# Altium PCB HIVE_BOARD - 10x10.PcbDoc (part 4 of 4)
Units mm, origin at the board's own origin, x right, y up, seen from the top; angles counter-clockwise.
Board outline 100 x 100 mm, 8 copper layers (Top, GND_1, Signal_1, GND_2, PWR, Signal_2, GND_3, Bottom), stack 1.6 mm thick; 627 components, 452 nets, 2398 pads, 70 vias.
Unrouted connection lines stored in the file: 1823.
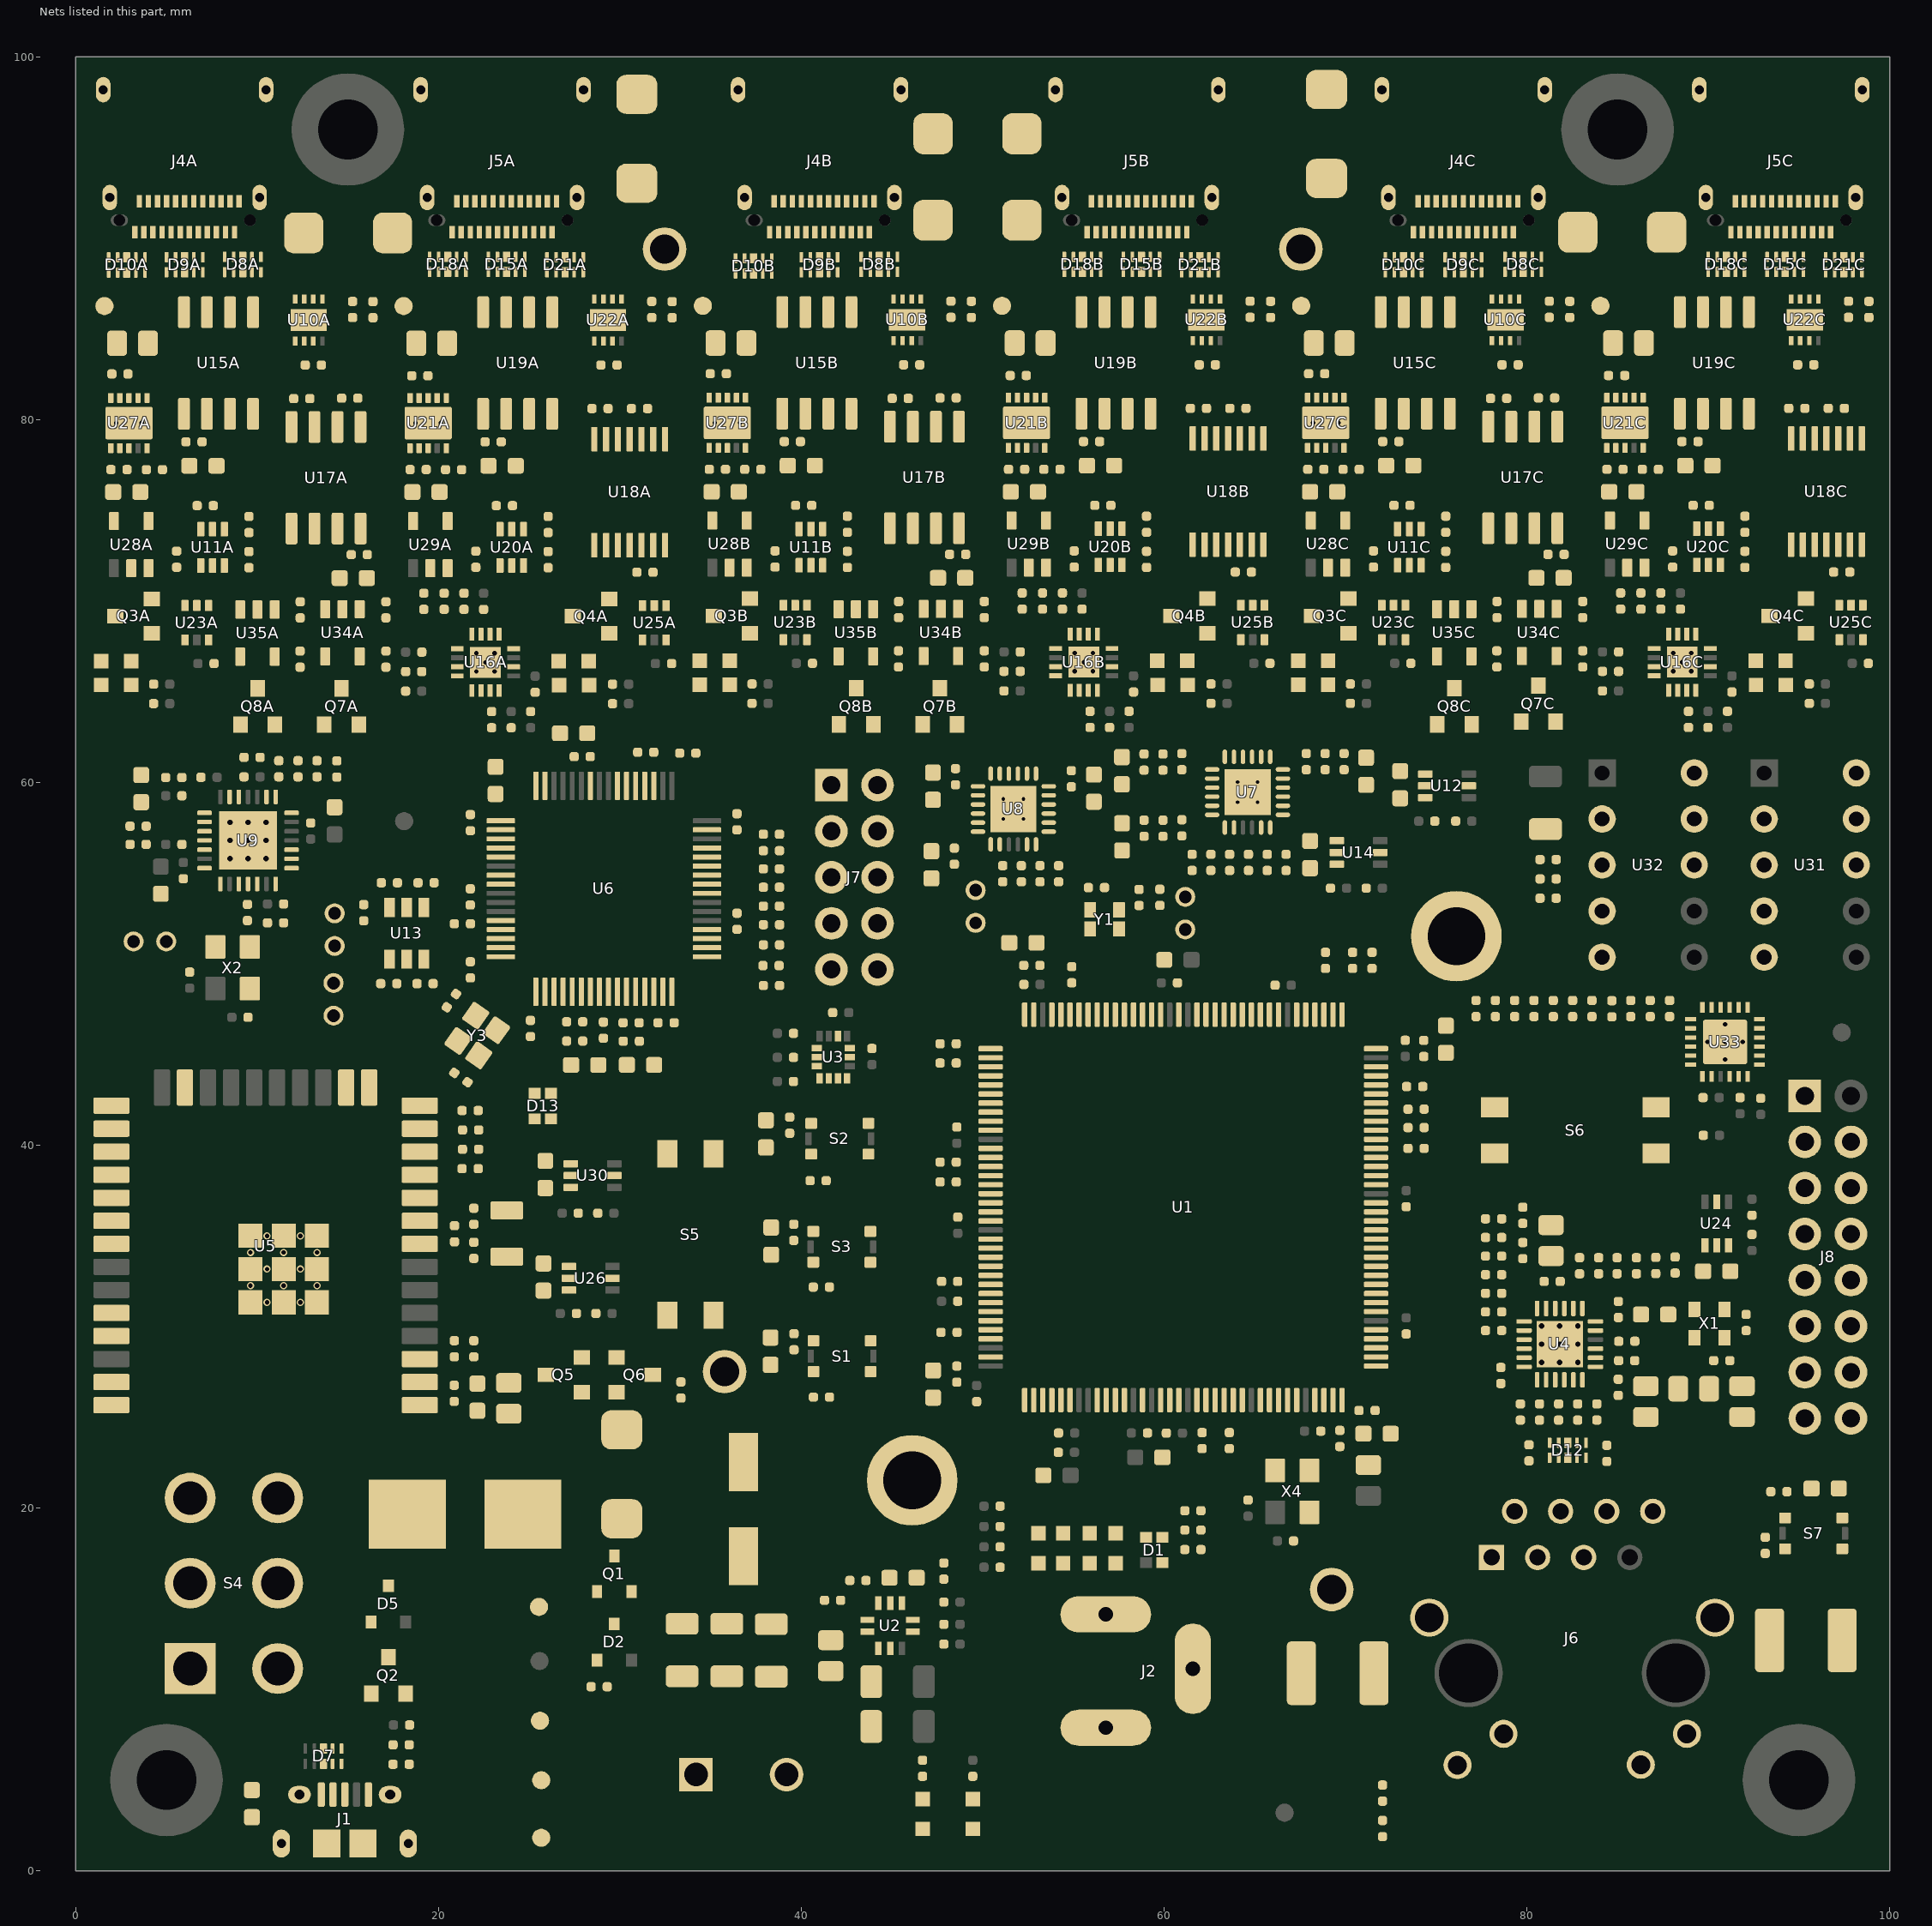
[diagram p8: the nets of this part, all layers, seen from the top]

## Via types
v1: diameter 0.5, hole 0.3, Top to Bottom, 18 vias
v2: diameter 0.45, hole 0.25, Top to Bottom, 15 vias
v3: diameter 0.4, hole 0.25, Top to Bottom, 12 vias
v4: diameter 0.4, hole 0.254, Top to Bottom, 12 vias
v5: diameter 0.5, hole 0.2, Top to Bottom, 8 vias
v6: diameter 0.4, hole 0.25, Top to Bottom, tented bottom, 5 vias

## Nets (pads, with @x,y where several pads share a name; then routed paths per layer and width w, separated by ;. In a path a pad name is that pad's centre, name@x,y a point inside that pad or via, vN(x,y) a via of type N, cw(c..) or ccw(c..) an arc to the next point about the centre after c; other vN are vias at no path point) (continued)
3V3_CH: C108A.2 C108B.2 C108C.2 C109A.2 C109B.2 C109C.2 C110A.1 C110B.1 C110C.1 C112.1 C113A.2 C113B.2 C113C.2 C114A.1 C114B.1 C114C.1 C115A.1 C115B.1 C115C.1 C118A.1 C118B.1 C118C.1 C119A.1 C119B.1 C119C.1 C120A.1 C120B.1 C120C.1 C121A.1 C121B.1 C121C.1 C122A.1 C122B.1 C122C.1 C125A.2 C125B.2 C125C.2 C126A.2 C126B.2 C126C.2 C145A.1 C145B.1 C145C.1 C146A.1 C146B.1 C146C.1 R93A.1 R93B.1 R93C.1 R95A.1 R95B.1 R95C.1 R99A.1 R99B.1 R99C.1 R112A.1 R112B.1 R112C.1 R117A.1 R117B.1 R117C.1 R119A.1 R119B.1 R119C.1 R154A.1 R154B.1 R154C.1 R155A.1 R155B.1 R155C.1 U10A.5 U10B.5 U10C.5 U11A.5 U11B.5 U11C.5 U12.1 U15A.1 U15B.1 U15C.1 U17A.8 U17B.8 U17C.8 U18A.14 U18B.14 U18C.14 U19A.1 U19B.1 U19C.1 U20A.5 U20B.5 U20C.5 U22A.5 U22B.5 U22C.5 U23A.1 U23B.1 U23C.1 U25A.1 U25B.1 U25C.1 U34A.5 U34B.5 U34C.5 U35A.5 U35B.5 U35C.5
3V3_CL: C87.1 C88.2 C89.2 C92.2 C93.2 C95.2 C98.2 C99.2 C100.1 C101.2 C102.2 C103.2 C104.2 C105.1 C106.2 C107.1 C116.1 C130.2 C131.1 C132.1 R80.2 R81.2 R85.2 R87.2 R89.2 U7.6 U7.19 U7.24 U8.6 U8.19 U8.24 U14.1 Y1.4
3V3_DEB: C55.1 C57.1 C58.1 C69.1 C79.1 C84.1 C90.1 C137.1 L4.1 L6.1 R66.2 R67.2 R68.2 R69.2 U6.20 U6.31 U6.42 U6.50 U6.56 U13.6 U30.1
3V3_ETH: C34.2 C50.2 C59.2 C65.2 C134.1 L3.1 R45.2 R53.2 R58.2 R60.2 R73.2 R156.2 U4.9 U24.1 X1.4
3V3_PHY: C39.1 C40.1 C51.1 C52.1 C53.1 J6.2 J6.5 L3.2 R41.2 R42.2 R43.2 R44.2 U4.1 U4.19
3V3_WR: C62.2 C63.1 C64.2 C138.1 D13.3 R91.2 R92.2 U5.2 U26.1
5V: C32.2 C33.2 C35.2 C76.2 C111A.1 C111B.1 C111C.1 C124A.2 C124B.2 C124C.2 C139A.1 C139B.1 C139C.1 C140A.2 C140B.2 C140C.2 C147.1 D2.3 J8.4 Q1.2 R11.1 R21.2 R107A.1 R107B.1 R107C.1 TP2.1 U2.2 U21A.1 U21A.2 U21B.1 U21B.2 U21C.1 U21C.2 U27A.1 U27A.2 U27B.1 U27B.2 U27C.1 U27C.2 U28A.5 U28B.5 U28C.5 U29A.5 U29B.5 U29C.5
5V_CONN: J2.1 J3.2 S4.3 S4.6 TP3.1
5V_POL_G: D2.1 Q1.1 R12.1
5V_USB: J1.1 R7.1 S4.1 TP1.1
7SEG_A_0: R136.1 U33.1
7SEG_A_1: R135.1 U33.8
7SEG_B_0: R138.1 U33.2
7SEG_B_1: R137.1 U33.10
7SEG_C_0: R140.1 U33.3
7SEG_C_1: R139.1 U33.11
7SEG_D_0: R142.1 U33.4
7SEG_D_1: R141.1 U33.12
7SEG_E_0: R144.1 U33.5
7SEG_E_1: R143.1 U33.13
7SEG_F_0: R146.1 U33.6
7SEG_F_1: R145.1 U33.14
7SEG_G_0: R148.1 U33.7
7SEG_G_1: R147.1 U33.15
12M_X_N: C75.2 R70.1 U6.3 Y3.3
12M_X_P: C74.2 R70.2 U6.2 Y3.1
32K_X_N: C67.2 R132.1 U5.9 X3.2
32K_X_P: C66.2 R132.2 U5.8 X3.1
BB_CC1_0A: J4A.A5 R95A.2 U11A.1
BB_CC1_0B: J4B.A5 R95B.2 U11B.1
BB_CC1_0C: J4C.A5 R95C.2 U11C.1
BB_CC1_1A: J5A.A5 R117A.2 U20A.1
BB_CC1_1B: J5B.A5 R117B.2 U20B.1
BB_CC1_1C: J5C.A5 R117C.2 U20C.1
BB_CC2_0A: J4A.B5 R97A.1 U11A.3
BB_CC2_0B: J4B.B5 R97B.1 U11B.3
BB_CC2_0C: J4C.B5 R97C.1 U11C.3
BB_CC2_1A: J5A.B5 R118A.1 U20A.3
BB_CC2_1B: J5B.B5 R118B.1 U20B.3
BB_CC2_1C: J5C.B5 R118C.1 U20C.3
BB_CLK_0A_N: D8A.2 D8A.9 J4A.A3 U10A.7
BB_CLK_0A_P: D8A.1 D8A.10 J4A.A2 U10A.6
BB_CLK_0B_N: D8B.2 D8B.9 J4B.A3 U10B.7
BB_CLK_0B_P: D8B.1 D8B.10 J4B.A2 U10B.6
BB_CLK_0C_N: D8C.2 D8C.9 J4C.A3 U10C.7
BB_CLK_0C_P: D8C.1 D8C.10 J4C.A2 U10C.6
BB_CLK_1A_N: D21A.2 D21A.9 J5A.A3 U22A.7
BB_CLK_1A_P: D21A.1 D21A.10 J5A.A2 U22A.6
BB_CLK_1B_N: D21B.2 D21B.9 J5B.A3 U22B.7
BB_CLK_1B_P: D21B.1 D21B.10 J5B.A2 U22B.6
BB_CLK_1C_N: D21C.2 D21C.9 J5C.A3 U22C.7
BB_CLK_1C_P: D21C.1 D21C.10 J5C.A2 U22C.6
BB_RESET_0A: D9A.5 D9A.6 J4A.A8 R99A.2 U16A.9 U18A.6
BB_RESET_0B: D9B.5 D9B.6 J4B.A8 R99B.2 U16B.9 U18B.6
BB_RESET_0C: D9C.5 D9C.6 J4C.A8 R99C.2 U16C.9 U18C.6
BB_RESET_1A: D15A.5 D15A.6 J5A.A8 R119A.2 U16A.2 U18A.11
BB_RESET_1B: D15B.5 D15B.6 J5B.A8 R119B.2 U16B.2 U18B.11
BB_RESET_1C: D15C.5 D15C.6 J5C.A8 R119C.2 U16C.2 U18C.11
BB_SPI_CLK_0A_N: D8A.5 D8A.6 J4A.B10 U15A.5
BB_SPI_CLK_0A_P: D8A.4 D8A.7 J4A.B11 U15A.6
BB_SPI_CLK_0B_N: D8B.5 D8B.6 J4B.B10 U15B.5
BB_SPI_CLK_0B_P: D8B.4 D8B.7 J4B.B11 U15B.6
BB_SPI_CLK_0C_N: D8C.5 D8C.6 J4C.B10 U15C.5
BB_SPI_CLK_0C_P: D8C.4 D8C.7 J4C.B11 U15C.6
BB_SPI_CLK_1A_N: D21A.5 D21A.6 J5A.B10 U19A.5
BB_SPI_CLK_1A_P: D21A.4 D21A.7 J5A.B11 U19A.6
BB_SPI_CLK_1B_N: D21B.5 D21B.6 J5B.B10 U19B.5
BB_SPI_CLK_1B_P: D21B.4 D21B.7 J5B.B11 U19B.6
BB_SPI_CLK_1C_N: D21C.5 D21C.6 J5C.B10 U19C.5
BB_SPI_CLK_1C_P: D21C.4 D21C.7 J5C.B11 U19C.6
BB_SPI_MISO_0A_N: D9A.4 D9A.7 J4A.A7 J4A.B7 R104A.1 U17A.4
BB_SPI_MISO_0A_P: D9A.2 D9A.9 J4A.A6 J4A.B6 R104A.2 U17A.3
BB_SPI_MISO_0B_N: D9B.4 D9B.7 J4B.A7 J4B.B7 R104B.1 U17B.4
BB_SPI_MISO_0B_P: D9B.2 D9B.9 J4B.A6 J4B.B6 R104B.2 U17B.3
BB_SPI_MISO_0C_N: D9C.4 D9C.7 J4C.A7 J4C.B7 R104C.1 U17C.4
BB_SPI_MISO_0C_P: D9C.2 D9C.9 J4C.A6 J4C.B6 R104C.2 U17C.3
BB_SPI_MISO_1A_N: D15A.4 D15A.7 J5A.A7 J5A.B7 R103A.2 U17A.1
BB_SPI_MISO_1A_P: D15A.2 D15A.9 J5A.A6 J5A.B6 R103A.1 U17A.2
BB_SPI_MISO_1B_N: D15B.4 D15B.7 J5B.A7 J5B.B7 R103B.2 U17B.1
BB_SPI_MISO_1B_P: D15B.2 D15B.9 J5B.A6 J5B.B6 R103B.1 U17B.2
BB_SPI_MISO_1C_N: D15C.4 D15C.7 J5C.A7 J5C.B7 R103C.2 U17C.1
BB_SPI_MISO_1C_P: D15C.2 D15C.9 J5C.A6 J5C.B6 R103C.1 U17C.2
BB_SPI_MOSI_0A_N: D10A.2 D10A.9 J4A.A10 U15A.8
BB_SPI_MOSI_0A_P: D10A.1 D10A.10 J4A.A11 U15A.7
BB_SPI_MOSI_0B_N: D10B.2 D10B.9 J4B.A10 U15B.8
BB_SPI_MOSI_0B_P: D10B.1 D10B.10 J4B.A11 U15B.7
BB_SPI_MOSI_0C_N: D10C.2 D10C.9 J4C.A10 U15C.8
BB_SPI_MOSI_0C_P: D10C.1 D10C.10 J4C.A11 U15C.7
BB_SPI_MOSI_1A_N: D18A.2 D18A.9 J5A.A10 U19A.8
BB_SPI_MOSI_1A_P: D18A.1 D18A.10 J5A.A11 U19A.7
BB_SPI_MOSI_1B_N: D18B.2 D18B.9 J5B.A10 U19B.8
BB_SPI_MOSI_1B_P: D18B.1 D18B.10 J5B.A11 U19B.7
BB_SPI_MOSI_1C_N: D18C.2 D18C.9 J5C.A10 U19C.8
BB_SPI_MOSI_1C_P: D18C.1 D18C.10 J5C.A11 U19C.7
BB_SPI_nCS_0A: D9A.1 D9A.10 J4A.B8 U18A.3
BB_SPI_nCS_0B: D9B.1 D9B.10 J4B.B8 U18B.3
BB_SPI_nCS_0C: D9C.1 D9C.10 J4C.B8 U18C.3
BB_SPI_nCS_1A: D15A.1 D15A.10 J5A.B8 U18A.8
BB_SPI_nCS_1B: D15B.1 D15B.10 J5B.B8 U18B.8
BB_SPI_nCS_1C: D15C.1 D15C.10 J5C.B8 U18C.8
BB_VIN_0A: C141A.2 D11A.1 J4A.A4 J4A.A9 J4A.B4 J4A.B9 R151A.1 TP6A.1 U27A.9 U27A.10
BB_VIN_0B: C141B.2 D11B.1 J4B.A4 J4B.A9 J4B.B4 J4B.B9 R151B.1 TP6B.1 U27B.9 U27B.10
BB_VIN_0C: C141C.2 D11C.1 J4C.A4 J4C.A9 J4C.B4 J4C.B9 R151C.1 TP6C.1 U27C.9 U27C.10
BB_VIN_1A: C127A.2 D16A.1 J5A.A4 J5A.A9 J5A.B4 J5A.B9 R152A.1 TP7A.1 U21A.9 U21A.10
BB_VIN_1B: C127B.2 D16B.1 J5B.A4 J5B.A9 J5B.B4 J5B.B9 R152B.1 TP7B.1 U21B.9 U21B.10
BB_VIN_1C: C127C.2 D16C.1 J5C.A4 J5C.A9 J5C.B4 J5C.B9 R152C.1 TP7C.1 U21C.9 U21C.10
BOOT_MODE: Q6.2 R92.1 U5.25
CH_CL_PWR_EN: R96.2 R98.2 S6.3 U1.43 U12.3 U14.3
CHAN_DET_0A: R113A.2 U1.120 U16A.13
CHAN_DET_0B: R113B.2 U1.97 U16B.13
CHAN_DET_0C: R113C.2 U1.81 U16C.13
CHAN_DET_1A: R124A.2 U1.113 U16A.16
CHAN_DET_1B: R124B.2 U1.86 U16B.16
CHAN_DET_1C: R124C.2 U1.44 U16C.16
CHAN_EN_0A: U1.125 U23A.6
CHAN_EN_0B: U1.94 U23B.6
CHAN_EN_0C: U1.83 U23C.6
CHAN_EN_1A: U1.114 U25A.6
CHAN_EN_1B: U1.88 U25B.6
CHAN_EN_1C: U1.52 U25C.6
CHAN_FLT#_0A: D14A.K U28A.4
CHAN_FLT#_0B: D14B.K U28B.4
CHAN_FLT#_0C: D14C.K U28C.4
CHAN_FLT#_1A: D20A.K U29A.4
CHAN_FLT#_1B: D20B.K U29B.4
CHAN_FLT#_1C: D20C.K U29C.4
CHAN_IRQ_0A: R93A.2 U1.123 U11A.4 U11A.6
CHAN_IRQ_0B: R93B.2 U1.95 U11B.4 U11B.6
CHAN_IRQ_0C: R93C.2 U1.82 U11C.4 U11C.6
CHAN_IRQ_1A: R112A.2 U1.115 U20A.4 U20A.6
CHAN_IRQ_1B: R112B.2 U1.87 U20B.4 U20B.6
CHAN_IRQ_1C: R112C.2 U1.45 U20C.4 U20C.6
CHAN_OV_0A: R105A.2 R111A.2 U23A.3
CHAN_OV_0B: R105B.2 R111B.2 U23B.3
CHAN_OV_0C: R105C.2 R111C.2 U23C.3
CHAN_OV_1A: R101A.2 R102A.2 U25A.3
CHAN_OV_1B: R101B.2 R102B.2 U25B.3
CHAN_OV_1C: R101C.2 R102C.2 U25C.3
CHAN_RESET_0A: U1.117 U18A.5
CHAN_RESET_0B: U1.99 U18B.5
CHAN_RESET_0C: U1.78 U18C.5
CHAN_RESET_1A: U1.112 U18A.12
CHAN_RESET_1B: U1.93 U18B.12
CHAN_RESET_1C: U1.65 U18C.12
CLK_0A_N: R94A.1 U7.4 U10A.2
CLK_0A_P: R94A.2 U7.5 U10A.3
CLK_0B_N: R94B.1 U7.2 U10B.2
CLK_0B_P: R94B.2 U7.3 U10B.3
CLK_0C_N: R94C.1 U7.22 U10C.2
CLK_0C_P: R94C.2 U7.23 U10C.3
CLK_1A_N: R128A.1 U7.20 U22A.2
CLK_1A_P: R128A.2 U7.21 U22A.3
CLK_1B_N: R128B.1 U7.16 U22B.2
CLK_1B_P: R128B.2 U7.17 U22B.3
CLK_1C_N: R128C.1 U7.14 U22C.2
CLK_1C_P: R128C.2 U7.15 U22C.3
CLK_OE_0#: U1.61 U7.1 U8.1
CLK_OE_1#: U1.60 U7.18 U8.18
DEB_PWR_EN: R125.2 S5.4 U1.132 U30.3
EN_WROOM: C68.1 C97.2 Q5.3 R38.1 R91.1 S1.3 S1.4 U5.3
ETH_GND: C60.1 C61.1 J6.13 J6.14
ETH_PWR_EN: R109.2 S6.4 U1.40 U24.3
ETH_RX_N: D12.5 D12.6 J6.6 R44.1 U4.22
ETH_RX_P: D12.4 D12.7 J6.4 R43.1 U4.23
ETH_TX_N: D12.2 D12.9 J6.3 R42.1 U4.20
ETH_TX_P: D12.1 D12.10 J6.1 R41.1 U4.21
FTDI_EECLK: R68.1 U6.62 U13.4
FTDI_EECS: R69.1 U6.63 U13.5
FTDI_EEDATA: R72.1 U6.61 U13.3
FTDI_RESET: C91.1 R66.1 S2.3 S2.4 U6.14
GND: C1.1 C2.2 C3.1 C4.2 C5.1 C6.2 C7.2 C8.2 C9.2 C10.2 C11.1 C12.2 C13.2 C14.2 C15.2 C16.2 C17.2 C18.2 C19.2 C20.1 C21.1 C22.1 C23.1 C24.1 C25.1 C27.2 C28.1 C29.1 C30.2 C31.1 C32.1 C33.1 C34.1 C35.1 C36.1 C37.2 C38.2 C39.2 C40.2 C41.1 C42.1 C43.1 C44.1 C45.1 C46.1 C47.1 C48.1 C49.1 C50.1 C51.2 C52.2 C53.2 C54.1 C55.2 C56.1 C57.2 C58.2 C59.1 C60.2 C61.2 C62.1 C63.2 C64.1 C65.1 C66.1 C67.1 C68.2 C69.2 C70.2 C71.2 C72.2 C73.1 C74.1 C75.1 C76.1 C77.2 C78.2 C79.2 C80.2 C81.1 C82.2 C83.1 C84.2 C85.1 C86.2 C87.2 C88.1 C89.1 C90.2 C91.2 C92.1 C93.1 C95.1 C96.2 C97.1 C98.1 C99.1 C100.2 C101.1 C102.1 C103.1 C104.1 C105.2 C106.1 C107.2 C108A.1 C108B.1 C108C.1 C109A.1 C109B.1 C109C.1 C110A.2 C110B.2 C110C.2 C111A.2 C111B.2 C111C.2 C112.2 C113A.1 C113B.1 C113C.1 C114A.2 C114B.2 C114C.2 C115A.2 C115B.2 C115C.2 C116.2 C117A.1 C117B.1 C117C.1 C118A.2 C118B.2 C118C.2 C119A.2 C119B.2 C119C.2 C120A.2 C120B.2 C120C.2 C121A.2 C121B.2 C121C.2 C122A.2 C122B.2 C122C.2 C123.1 C124A.1 C124B.1 C124C.1 C125A.1 C125B.1 C125C.1 C126A.1 C126B.1 C126C.1 C127A.1 C127B.1 C127C.1 C128A.1 C128B.1 C128C.1 C129.2 C130.1 C131.2 C132.2 C133A.1 C133B.1 C133C.1 C134.2 C135.2 C136.2 C137.2 C138.2 C139A.2 C139B.2 C139C.2 C140A.1 C140B.1 C140C.1 C141A.1 C141B.1 C141C.1 C142.2 C143.2 C145A.2 C145B.2 C145C.2 C146A.2 C146B.2 C146C.2 C147.2 C148.1 D3.2 D4.K D5.1 D6.K D7.3 D7.8 D8A.3 D8A.8 D8B.3 D8B.8 D8C.3 D8C.8 D9A.3 D9A.8 D9B.3 D9B.8 D9C.3 D9C.8 D10A.3 D10A.8 D10B.3 D10B.8 D10C.3 D10C.8 D11A.2 D11B.2 D11C.2 D12.3 D12.8 D15A.3 D15A.8 D15B.3 D15B.8 D15C.3 D15C.8 D16A.2 D16B.2 D16C.2 D18A.3 D18A.8 D18B.3 D18B.8 D18C.3 D18C.8 D21A.3 D21A.8 D21B.3 D21B.8 D21C.3 D21C.8 HS1.1 HS1.2 J1.5 J2.2 J2.3 J3.1 J4A.1 J4A.2 J4A.3 J4A.4 J4A.A1 J4A.A12 J4A.B1 J4A.B12 J4B.1 J4B.2 J4B.3 J4B.4 J4B.A1 J4B.A12 J4B.B1 J4B.B12 J4C.1 J4C.2 J4C.3 J4C.4 J4C.A1 J4C.A12 J4C.B1 J4C.B12 J5A.1 J5A.2 J5A.3 J5A.4 J5A.A1 J5A.A12 J5A.B1 J5A.B12 J5B.1 J5B.2 J5B.3 J5B.4 J5B.A1 J5B.A12 J5B.B1 J5B.B12 J5C.1 J5C.2 J5C.3 J5C.4 J5C.A1 J5C.A12 J5C.B1 J5C.B12 J6.8 J8.1 J8.6 J8.9 J8.12 J8.15 Q2.2 Q3A.2 Q3B.2 Q3C.2 Q4A.2 Q4B.2 Q4C.2 Q7A.2 Q7B.2 Q7C.2 Q8A.2 Q8B.2 Q8C.2 R9.1 R12.2 R14.1 R17.2 R20.2 R26.1 R30.1 R34.2 R35.2 R36.2 R39.1 R49.1 R50.1 R51.1 R52.1 R59.1 R61.1 R65.2 R71.1 R74.1 R75.1 R76.1 R78.1 R83.1 R84.1 R86.2 R88.1 R90.2 R97A.2 R97B.2 R97C.2 R106A.2 R106B.2 R106C.2 R108A.1 R108B.1 R108C.1 R118A.2 R118B.2 R118C.2 R121.1 R122.2 R126.2 R127A.2 R127B.2 R127C.2 R133A.2 R133B.2 R133C.2 R149.1 R157.1 R158.1 R159.1 R160.1 TP11.2 TP12.2 TP13.1 TP14.1 TP15.1 TP16.1 U1.6 U1.12 U1.14 U1.16 U1.17 U1.18 U1.33 U1.34 U1.41 U1.55 U1.69 U1.80 U1.89 U1.91 U1.104 U1.118 U1.128 U1.141 U2.3 U2.4 U2.8 U3.1 U3.2 U3.3 U3.6 U3.7 U4.25 U5.1 U5.15 U5.38 U5.39 U6.1 U6.5 U6.10 U6.11 U6.13 U6.15 U6.25 U6.35 U6.47 U6.51 U7.13 U7.25 U8.13 U8.25 U9.15 U9.29 U10A.1 U10A.9 U10B.1 U10B.9 U10C.1 U10C.9 U11A.2 U11B.2 U11C.2 U12.2 U12.5 U13.2 U14.2 U14.5 U15A.4 U15B.4 U15C.4 U16A.12 U16A.17 U16B.12 U16B.17 U16C.12 U16C.17 U17A.5 U17B.5 U17C.5 U18A.7 U18B.7 U18C.7 U19A.4 U19B.4 U19C.4 U20A.2 U20B.2 U20C.2 U21A.3 U21A.11 U21B.3 U21B.11 U21C.3 U21C.11 U22A.1 U22A.9 U22B.1 U22B.9 U22C.1 U22C.9 U23A.2 U23B.2 U23C.2 U24.2 U24.5 U25A.2 U25B.2 U25C.2 U26.2 U26.5 U27A.3 U27A.11 U27B.3 U27B.11 U27C.3 U27C.11 U28A.3 U28B.3 U28C.3 U29A.3 U29B.3 U29C.3 U30.2 U30.5 U33.9 U33.18 U33.23 U33.25 U34A.3 U34B.3 U34C.3 U35A.3 U35B.3 U35C.3 X1.2 X2.2 X4.2 Y1.1 Y1.2 Y3.2 Y3.4
  other v1: 80.815,28.033 81.815,28.033 82.815,28.033 80.815,29.033 81.815,29.033 82.815,29.033 80.815,30.033 81.815,30.033 82.815,30.033 8.492,55.805 9.492,55.805 10.492,55.805 8.492,56.805 9.492,56.805 10.492,56.805 8.492,57.805 9.492,57.805 10.492,57.805
  other v2: 22.082,66.123 23.082,66.123 55.075,66.136 56.075,66.136 88.069,66.136 89.069,66.136 22.582,66.623 55.575,66.636 88.569,66.636 22.082,67.123 23.082,67.123 55.075,67.136 56.075,67.136 88.069,67.136 89.069,67.136
  other v3: 2.228,79.817 3.628,79.817 18.724,79.817 20.124,79.817 35.221,79.83 36.621,79.83 68.214,79.83 69.614,79.83
  other v4: 10.543,31.336 12.378,31.336 9.626,32.253 11.461,32.253 13.296,32.253 10.543,33.171 12.378,33.171 9.626,34.088 11.461,34.088 13.296,34.088 10.543,35.006 12.378,35.006
  other v5: 51.14,57.987 52.24,57.987 64.05,58.917 65.15,58.917 51.14,59.087 52.24,59.087 64.05,60.017 65.15,60.017
  other v6: 90.928,44.723 89.959,45.693 90.928,45.693 91.899,45.693 90.928,46.663
HW_EN_0A: Q3A.1 U10A.8 U18A.1 U18A.4 U23A.4 U27A.7
HW_EN_0B: Q3B.1 U10B.8 U18B.1 U18B.4 U23B.4 U27B.7
HW_EN_0C: Q3C.1 U10C.8 U18C.1 U18C.4 U23C.4 U27C.7
HW_EN_1A: Q4A.1 U18A.10 U18A.13 U21A.7 U22A.8 U25A.4
HW_EN_1B: Q4B.1 U18B.10 U18B.13 U21B.7 U22B.8 U25B.4
HW_EN_1C: Q4C.1 U18C.10 U18C.13 U21C.7 U22C.8 U25C.4
I2C_MISC_SCL: R27.2 U1.133 U3.13 U33.19
I2C_MISC_SDA: R28.2 U1.134 U3.14 U33.20
IMU_I2C_EN: R131.2 U3.12
IMU_INT1: U1.9 U3.4
IMU_INT2: U1.3 U3.9
IO_EXP_BTN0: C143.1 R114.1 S7.3 S7.4 U33.16
IO_EXP_INT#: R134.1 U1.4 U33.22
MCU_LED_0: D22.K U1.30
MCU_LED_1: D23.K U1.28
MCU_LED_2: D24.K U1.24
MCU_LED_B: R1.2 U1.10
MCU_LED_G: R2.2 U1.11
MCU_LED_HB: D25.K U1.31
MCU_LED_R: R3.2 U1.20
MCU_OSC_EN: R64.2 X4.1
MCU_OSC_IN: U1.25 X4.3
MCU_RST#: R8.2 U1.27
MEZ_ADC1_N: J8.11 U1.49
MEZ_ADC1_P: J8.13 U1.50
MEZ_I2C_SCL: J8.14 U1.53
MEZ_I2C_SDA: J8.16 U1.54
MEZ_SPI_MISO: J8.5 U1.63
MEZ_SPI_MOSI: J8.7 R173.2
MEZ_SPI_SCK: J8.3 R172.2
MEZ_UART_Rx: J8.8 U1.57
MEZ_UART_Tx: J8.10 U1.58
MISO_OE_0A: Q7A.3 R154A.2 U34A.1
MISO_OE_0B: Q7B.3 R154B.2 U34B.1
MISO_OE_0C: Q7C.3 R154C.2 U34C.1
MISO_OE_1A: Q8A.3 R155A.2 U35A.1
MISO_OE_1B: Q8B.3 R155B.2 U35B.1
MISO_OE_1C: Q8C.3 R155C.2 U35C.1
MODE0: R18.1 R53.1 R157.2 U4.8
MODE1: R19.1 R58.1 R158.2 U4.7
MODE2: R47.1 R60.1 R159.2 U4.11
NetC4_1: C4.1 R8.1 S3.3 S3.4
NetC26_1: C26.1 R15.1 R26.2 U2.7
NetC37_1: C37.1 R24.2 U2.9
NetC47_2: C47.2 U9.9
NetC48_2: C48.2 U9.25
NetC54_2: C54.2 C56.2 U4.6
NetC80_1: C80.1 C81.2 L4.2 U6.4
NetC82_1: C82.1 C83.2 L6.2 U6.9
NetC86_1: C86.1 R7.2 R20.1 U9.18
NetC94_1: C94.1 R81.1 R84.2 TP11.1 U7.7
NetC94_2: C94.2 R82.1
NetD1_1: D1.1 R1.1
NetD1_2: D1.2 R2.1
NetD1_4: D1.4 R3.1
NetD3_1: D3.1 F1.2 Q1.3
NetD4_A: D4.A R11.2
NetD5_3: D5.3 Q2.1 R13.1 R14.2
NetD6_A: D6.A R25.1
NetD13_1: D13.1 R40.1
NetD13_2: D13.2 R46.1
NetD13_4: D13.4 R63.1
NetD14A_A: D14A.A R115A.1
NetD14B_A: D14B.A R115B.1
NetD14C_A: D14C.A R115C.1
NetD17A_A: D17A.A R77A.1
NetD17A_K: D17A.K Q3A.3
NetD17B_A: D17B.A R77B.1
NetD17B_K: D17B.K Q3B.3
NetD17C_A: D17C.A R77C.1
NetD17C_K: D17C.K Q3C.3
NetD19A_A: D19A.A R110A.1
NetD19A_K: D19A.K Q4A.3
NetD19B_A: D19B.A R110B.1
NetD19B_K: D19B.K Q4B.3
NetD19C_A: D19C.A R110C.1
NetD19C_K: D19C.K Q4C.3
NetD20A_A: D20A.A R123A.1
NetD20B_A: D20B.A R123B.1
NetD20C_A: D20C.A R123C.1
NetD22_A: D22.A R5.2
NetD23_A: D23.A R23.2
NetD24_A: D24.A R33.2
NetD25_A: D25.A R129.2
NetF1_1: F1.1 S4.2 S4.5
NetJ6_9: J6.9 R51.2
NetJ6_11: J6.11 R49.2
NetJ7_1: J7.1 R79.1
NetJ7_2: J7.2 U1.131
NetJ7_3: J7.3 R54.1
NetJ7_4: J7.4 U1.102
NetJ7_5: J7.5 R37.1
NetJ7_6: J7.6 U1.130
NetJ7_7: J7.7 R32.1
NetJ7_8: J7.8 U1.108
NetJ7_9: J7.9 R31.1
NetJ7_10: J7.10 U1.107
NetQ5_1: Q5.1 Q6.3 U6.55
NetQ5_2: Q5.2 Q6.1 U6.53
NetR4_2: R4.2 U9.17
NetR6_2: R6.2 U9.13 U9.19
NetR9_2: R9.2 S3.1 S3.2
NetR13_2: R13.2 S4.4
NetR16_1: R16.1 U9.7
NetR16_2: R16.2 R17.1 U1.98
NetR18_2: R18.2 U1.47
NetR19_2: R19.2 U1.48
NetR21_1: R21.1 U2.1
NetR22_2: R22.2 U2.6
NetR24_1: R24.1 U2.10
NetR29_2: R29.2 X2.1
NetR31_2: R31.2 U6.16
NetR32_2: R32.2 U6.17
NetR34_1: R34.1 U9.16
NetR35_1: R35.1 U9.12
NetR36_1: R36.1 U9.8
NetR37_2: R37.2 U6.18
NetR38_2: R38.2 U1.2
NetR39_2: R39.2 S1.1 S1.2
NetR45_1: R45.1 U1.39 U4.12
NetR47_2: R47.2 U1.46
NetR48_2: R48.2 U1.38
NetR50_2: R50.2 U4.24
NetR52_2: R52.2 U9.26
NetR54_2: R54.2 U6.19
NetR55_1: R55.1 U5.16
NetR55_2: R55.2 U6.26
NetR56_1: R56.1 R59.2 U5.14
NetR56_2: R56.2 U6.27
NetR57_1: R57.1 U5.23
NetR57_2: R57.2 U6.28
NetR61_2: R61.2 X1.1
NetR62_1: R62.1 U5.13
NetR62_2: R62.2 U6.29
NetR65_1: R65.1 U1.127 U6.60
NetR67_1: R67.1 R72.2 U13.1
NetR71_2: R71.2 S2.1 S2.2
NetR74_2: R74.2 U6.6
NetR79_2: R79.2 U6.24
NetR80_1: R80.1 R83.2 U7.8
NetR82_2: R82.2 Y1.3
NetR85_1: R85.1 U7.11
NetR86_1: R86.1 U7.12
NetR87_1: R87.1 R88.2 U8.8
NetR89_1: R89.1 U8.11
NetR90_1: R90.1 U8.12
NetR100A_2: R100A.2 R106A.1 U16A.4 U16A.6 U16A.8 U16A.11
NetR100B_2: R100B.2 R106B.1 U16B.4 U16B.6 U16B.8 U16B.11
NetR100C_2: R100C.2 R106C.1 U16C.4 U16C.6 U16C.8 U16C.11
NetR102A_1: R102A.1 U16A.15
NetR102B_1: R102B.1 U16B.15
NetR102C_1: R102C.1 U16C.15
NetR105A_1: R105A.1 U16A.14
NetR105B_1: R105B.1 U16B.14
NetR105C_1: R105C.1 U16C.14
NetR107A_2: R107A.2 R108A.2 U16A.5 U16A.7
NetR107B_2: R107B.2 R108B.2 U16B.5 U16B.7
NetR107C_2: R107C.2 R108C.2 U16C.5 U16C.7
NetR116_2: R116.2 R122.1 U1.135
NetR121_2: R121.2 U33.17
NetR126_1: R126.1 U6.36
NetR127A_1: R127A.1 U21A.5
NetR127B_1: R127B.1 U21B.5
NetR127C_1: R127C.1 U21C.5
NetR130_2: R130.2 U1.35
NetR133A_1: R133A.1 U27A.5
NetR133B_1: R133B.1 U27B.5
NetR133C_1: R133C.1 U27C.5
NetR135_2: R135.2 U31.10
NetR136_2: R136.2 U32.10
NetR137_2: R137.2 U31.9
NetR138_2: R138.2 U32.9
NetR139_2: R139.2 U31.8
NetR140_2: R140.2 U32.8
NetR141_2: R141.2 U31.5
NetR142_2: R142.2 U32.5
NetR143_2: R143.2 U31.4
NetR144_2: R144.2 U32.4
NetR145_2: R145.2 U31.2
NetR146_2: R146.2 U32.2
NetR147_2: R147.2 U31.3
NetR148_2: R148.2 U32.3
NetR149_2: R149.2 S7.1 S7.2
NetR151A_2: R151A.2 U27A.8
NetR151B_2: R151B.2 U27B.8
NetR151C_2: R151C.2 U27C.8
NetR152A_2: R152A.2 U21A.8
NetR152B_2: R152B.2 U21B.8
NetR152C_2: R152C.2 U21C.8
NetR153_1: R153.1 U33.24
NetR161_2: R161.2 U1.121
NetR162_2: R162.2 U1.66
NetR163_1: R163.1 U1.109
NetR165_1: R165.1 U4.17
NetR165_2: R165.2 U1.72
NetR166_1: R166.1 U1.111
NetR167_1: R167.1 U4.18
NetR167_2: R167.2 U1.73
NetR168_2: R168.2 U1.75
NetR169_1: R169.1 U5.30
NetR169_2: R169.2 U1.21
NetR170_1: R170.1 U5.37
NetR170_2: R170.2 U1.23
NetR171_1: R171.1 U1.124
NetR172_1: R172.1 U1.62
NetR173_1: R173.1 U1.64
NetTP12_1: TP12.1 U1.59 U8.7
NetU1_1: U1.1 U5.10
NetU1_22: U1.22 U5.31
NetU1_29: U1.29 U4.13
NetU1_37: U1.37 U4.15
NetU1_67: U1.67 U4.16
NetU1_76: U1.76 U6.39
NetU1_77: U1.77 U6.38
NetU1_136: U1.136 U5.29
NetU1_138: U1.138 U5.28
NetU1_139: U1.139 U5.27
NetU4_5: U4.5 X1.3
NetU5_34: U5.34 U6.48
NetU5_35: U5.35 U6.52
NetU9_24: U9.24 X2.3
NetU21A_6: U21A.6 U29A.2
NetU21B_6: U21B.6 U29B.2
NetU21C_6: U21C.6 U29C.2
NetU27A_6: U27A.6 U28A.2
NetU27B_6: U27B.6 U28B.2
NetU27C_6: U27C.6 U28C.2
PHY_LED_1: J6.10 R75.2 U4.3
PHY_LED_2: J6.12 R76.2 U4.2
PHY_REFCLK: R48.1 R73.1 R160.2 U4.14
PHYAD0: R78.2 R156.1 U4.10
SHIELD_USB: J1.6 J1.7 J1.8 J1.9 J1.10 J1.11 R30.2
SPI_CLK_A: R171.2 U15A.2 U19A.2
SPI_CLK_B: R163.2 U15B.2 U19B.2
SPI_CLK_C: R162.1 U15C.2 U19C.2
SPI_MISO_0A: U17A.7 U34A.2
SPI_MISO_0B: U17B.7 U34B.2
SPI_MISO_0C: U17C.7 U34C.2
SPI_MISO_1A: U17A.6 U35A.2
SPI_MISO_1B: U17B.6 U35B.2
SPI_MISO_1C: U17C.6 U35C.2
SPI_MISO_A: U1.122 U34A.4 U35A.4
SPI_MISO_B: U1.110 U34B.4 U35B.4
SPI_MISO_C: U1.74 U34C.4 U35C.4
SPI_MOSI_A: R161.1 U15A.3 U19A.3
SPI_MOSI_B: R166.2 U15B.3 U19B.3
SPI_MOSI_C: R168.1 U15C.3 U19C.3
SPI_nCS_0A: Q7A.1 U1.126 U18A.2
SPI_nCS_0B: Q7B.1 U1.96 U18B.2
SPI_nCS_0C: Q7C.1 U1.84 U18C.2
SPI_nCS_1A: Q8A.1 U1.116 U18A.9
SPI_nCS_1B: Q8B.1 U1.85 U18B.9
SPI_nCS_1C: Q8C.1 U1.51 U18C.9
SYNC_0A_N: D10A.5 D10A.6 J4A.B3 U8.4
SYNC_0A_P: D10A.4 D10A.7 J4A.B2 U8.5
SYNC_0B_N: D10B.5 D10B.6 J4B.B3 U8.2
SYNC_0B_P: D10B.4 D10B.7 J4B.B2 U8.3
SYNC_0C_N: D10C.5 D10C.6 J4C.B3 U8.22
SYNC_0C_P: D10C.4 D10C.7 J4C.B2 U8.23
SYNC_1A_N: D18A.5 D18A.6 J5A.B3 U8.20
SYNC_1A_P: D18A.4 D18A.7 J5A.B2 U8.21
SYNC_1B_N: D18B.5 D18B.6 J5B.B3 U8.16
SYNC_1B_P: D18B.4 D18B.7 J5B.B2 U8.17
SYNC_1C_N: D18C.5 D18C.6 J5C.B3 U8.14
SYNC_1C_P: D18C.4 D18C.7 J5C.B2 U8.15
USB_D_N: D7.2 D7.9 J1.2 TP8.1 U9.21
USB_D_P: D7.1 D7.10 J1.3 TP8.2 U9.22
USB_DEBUG_N: TP9.2 U6.7 U9.2
USB_DEBUG_P: TP9.1 U6.8 U9.3
USB_PWR_DET#: Q2.3 R10.2 S5.1 S5.2 S6.1 S6.2 TP5.1 U1.5
USB_STM_D_N: TP10.2 U1.100 U9.28
USB_STM_D_P: TP10.1 U1.101 U9.1
VCAP: C28.2 C29.2 C31.2 U1.68 U1.103 U1.140
VDDA: C3.2 C6.1 L1.2 R130.1 U1.36
VDDLDO: C20.2 C21.2 C22.2 C23.2 C24.2 C25.2 U1.70 U1.105 U1.143
VREGOUT_1V8: C70.1 C71.1 C72.1 C73.2 U6.12 U6.37 U6.49 U6.64
WR_PWR_EN: R120.2 S5.3 U1.137 U26.3
WROOM_LED_B: R40.2 U5.26
WROOM_LED_G: R46.2 U5.11
WROOM_LED_R: R63.2 U5.12
pads on no net: D2.2 D5.2 D7.4 D7.5 D7.6 D7.7 FID1.1 FID1.2 FID2.1 FID2.2 FID3.1 FID3.2 J1.4 J4A. J4B. J4C. J5A. J5B. J5C. J6.0 J6.7 MTH1.1 MTH2.1 MTH3.1 MTH4.1 S1.5 S1.6 S2.5 S2.6 S3.5 S3.6 S7.5 S7.6 U1.15 U1.26 U3.10 U3.11 U4.4 U5.4 U5.5 U5.6 U5.7 U5.17 U5.18 U5.19 U5.20 U5.21 U5.22 U5.24 U5.32 U5.33 U5.36 U6.21 U6.22 U6.23 U6.30 U6.32 U6.33 U6.34 U6.40 U6.41 U6.43 U6.44 U6.45 U6.46 U6.54 U6.57 U6.58 U6.59 U7.9 U7.10 U8.9 U8.10 U9.5 U9.6 U9.11 U9.23 U10A.4 U10B.4 U10C.4 U12.6 U14.6 U16A.3 U16A.10 U16B.3 U16B.10 U16C.3 U16C.10 U21A.4 U21B.4 U21C.4 U22A.4 U22B.4 U22C.4 U24.6 U26.6 U27A.4 U27B.4 U27C.4 U28A.1 U28B.1 U28C.1 U29A.1 U29B.1 U29C.1 U30.6 U31.7 U32.7
copper on no net:
  other v3: 51.717,79.83 53.117,79.83 84.71,79.83 86.11,79.83

## Polygon pours and split planes (outlines as drawn)
no net on Top "Top-M2_SOURCE_-HV_B 1" (solid, pour order 294): -225.169,-639.305
no net on Top "Top-No Net" (solid, pour order 293): -215.829,-614.819
no net on Top "Top-No Net 1" (solid, pour order 292): -216.528,-614.249
no net on Top "Top-No Net 2" (solid, pour order 291): -216.337,-613.874
no net on Top "Top-No Net 3" (solid, pour order 290): -216.432,-614.273
no net on Top "Top-No Net 4" (solid, pour order 289): -234.705,-611.894
no net on Top "Top-No Net 5" (solid, pour order 288): -234.611,-611.494
no net on Top "Top-No Net 6" (solid, pour order 287): -234.801,-611.869
no net on Top "Top-No Net 7" (solid, pour order 286): -234.102,-612.439
no net on Top "Top-No Net 8" (solid, pour order 285): -213.158,-614.819
no net on Top "Top-No Net 9" (solid, pour order 284): -213.857,-614.249
no net on Top "Top-No Net 10" (solid, pour order 283): -213.667,-613.874
no net on Top "Top-No Net 11" (solid, pour order 282): -213.761,-614.273
no net on Top "Top-No Net 12" (solid, pour order 281): -268.596,-661.332
no net on Bottom "Bottom-No Net" (solid, pour order 457): -188.365,-612.06
no net on GND_1 (split plane): 99.49,0.51 0.51,0.51 0.51,99.49 99.49,99.49
no net on GND_2 (split plane): 99.49,0.51 0.51,0.51 0.51,99.49 99.49,99.49
no net on PWR (split plane): 99.49,0.51 0.51,0.51 0.51,99.49 99.49,99.49
no net on GND_3 (split plane): 99.49,0.51 0.51,0.51 0.51,99.49 99.49,99.49

## Keep-outs
Keep-Out Layer:
  lines w0.254: 0.059,0.011 0.059,53.859

## Silkscreen, mask and mechanical layers (free items; w line width, h text height)
Top Overlay:
  rectangle: -53.415,2.434 -40.497,10.137
  lines w0.1: 14.225,82.808 14.098,82.935 ; 14.225,83.062 14.098,82.935 ; 14.573,82.935 14.098,82.935 ; 30.669,82.837 30.542,82.964 ; 30.669,83.091 30.542,82.964 ; 31.077,82.964 30.542,82.964 ; 47.218,82.873 47.091,83 ; 47.218,83.127 47.091,83 ; 47.566,83 47.091,83 ; 63.662,82.902 63.535,83.029 ; 63.662,83.156 63.535,83.029 ; 64.07,83.029 63.535,83.029 ; 80.211,82.873 80.084,83 ; 80.211,83.127 80.084,83 ; 80.559,83 80.084,83 ; 96.655,82.902 96.528,83.029 ; 96.655,83.156 96.528,83.029 ; 97.063,83.029 96.528,83.029
  text "GND TP" at 66.353,91.021 h0.76 r90
  text "GND TP" at 34.752,90.637 h0.76 r90
  text "USB TP / STM - DEB." at 13.073,46.343 h0.76 r90
  text "USB_IN / TP" at 5.502,45.534 h0.76 r90
  text "USB PWR / DEB-WR" at 30.903,41.001 h0.76
  text "EN" at 31.717,38.879 h0.76 r90
  text "EN" at 77.501,37.793 h0.76
  text "USB PWR / ETH - CH" at 77.236,36.72 h0.76 r90
  text ".Project_Name" at -57.781,26.152 h2
  text "GND TP" at 34.141,24.595 h0.76
  text "Revision .Project_Revision" at -58.111,23.842 h1.02
  text "Designed by: / .Project_Designer1 / .Project_Designer2 / .Project_Designer3" at -56.758,17.159 h0.91
  text "GND TP" at 62.811,14.685 h0.76
  text "1" at -38.284,14.629 h10
  text "2" at -22.072,14.583 h10
  text "POWER / TP" at 19.347,13.532 h1.02
  text "5V" at 23.036,13.384 h0.76
  text "3V3" at 22.241,10.714 h0.76
  text "Serial #" at -52.852,9.748 h1
  text "USB-OFF-CON" at 2.168,7.47 h1.52 r90
  text "USB_PWR / _DET#" at 18.902,7.015 h0.76
  text "POWER / LED" at 51.104,6.779 h1.02 r90
  text "-" at 30.71,6.734 h1.52 r180
  text "+" at 43.901,6.539 h1.52 r180
  text "5V_CON" at 19.804,4.594 h0.76
  text "5V" at 28.073,3.174 h1.52
  text "5V_USB" at 19.836,1.254 h0.76
  text "IN" at 28.073,0.998 h1.52
  text "3V3" at 48.383,0.466 h0.76
  text "5V" at 46.046,0.441 h0.76
Board Outline:
  lines w0.254: 0,0 0,110 110,110 110,0 0,0
Channel locations:
  lines w0.1: 49.999,63.454 49.999,87.468 ; 0.51,87.468 17.007,87.468 ; 0.51,87.468 17.007,87.468 ; 0.51,87.468 0.51,63.454 17.007,63.454 ; 17.007,63.454 22.529,63.454 33.503,63.454 ; 17.007,63.454 17.007,87.468 ; 17.007,87.468 33.503,87.468 ; 33.503,63.454 33.503,87.468 ; 33.503,63.454 44.477,63.454 66.497,63.454 ; 33.503,87.468 50,87.468 66.497,87.468 ; 66.497,63.454 66.497,87.468 ; 66.497,63.454 82.993,63.454 ; 66.497,87.468 82.993,87.468 ; 82.993,63.454 99.49,63.454 99.49,87.468 82.993,87.468 ; 82.993,63.454 82.993,87.468

## Text inside footprints (layer, text, board x,y; h text height)
C147: Top Overlay "+" at 35.63,15.089 h1.52 r90
J1: Top Assembly "Board Edge" at 11.928,-0.902 h0.6
J4A: Top Assembly "A12" at 3.079,90.873 h0.51 r180; Top Assembly "B1" at 2.952,93.284 h0.51 r180; Top Assembly "B12" at 10.17,93.167 h0.51 r180; Top Assembly "A1" at 10.064,90.873 h0.51 r180
J4B: Top Assembly "A12" at 38.079,90.873 h0.51 r180; Top Assembly "B1" at 37.953,93.285 h0.51 r180; Top Assembly "B12" at 45.17,93.168 h0.51 r180; Top Assembly "A1" at 45.064,90.873 h0.51 r180
J4C: Top Assembly "A1" at 80.564,90.873 h0.51 r180; Top Assembly "B12" at 80.67,93.168 h0.51 r180; Top Assembly "B1" at 73.453,93.285 h0.51 r180; Top Assembly "A12" at 73.579,90.873 h0.51 r180
J5A: Top Assembly "A12" at 20.579,90.873 h0.51 r180; Top Assembly "B1" at 20.452,93.284 h0.51 r180; Top Assembly "B12" at 27.67,93.167 h0.51 r180; Top Assembly "A1" at 27.564,90.873 h0.51 r180
J5B: Top Assembly "A12" at 55.579,90.873 h0.51 r180; Top Assembly "B1" at 55.453,93.285 h0.51 r180; Top Assembly "B12" at 62.67,93.168 h0.51 r180; Top Assembly "A1" at 62.564,90.873 h0.51 r180
J5C: Top Assembly "A1" at 98.064,90.873 h0.51 r180; Top Assembly "B12" at 98.17,93.168 h0.51 r180; Top Assembly "B1" at 90.953,93.285 h0.51 r180; Top Assembly "A12" at 91.079,90.873 h0.51 r180
S5: Top Overlay "ON" at 31.035,37.03 h0.76
S6: Top Overlay "ON" at 80.721,37.972 h0.76 r90